# Altium PCB PCB_v2.PcbDoc (part 5 of 8)
Units mil, origin at the board's own origin, x right, y up, seen from the top; angles counter-clockwise.
Board outline 17000 x 5250 mil, 4 copper layers (Top Side, Ground Layer, Power Layer, Bottom Side), stack 33.2 mil thick; 671 components, 580 nets, 2819 pads, 990 vias.
Unrouted connection lines stored in the file: 104.
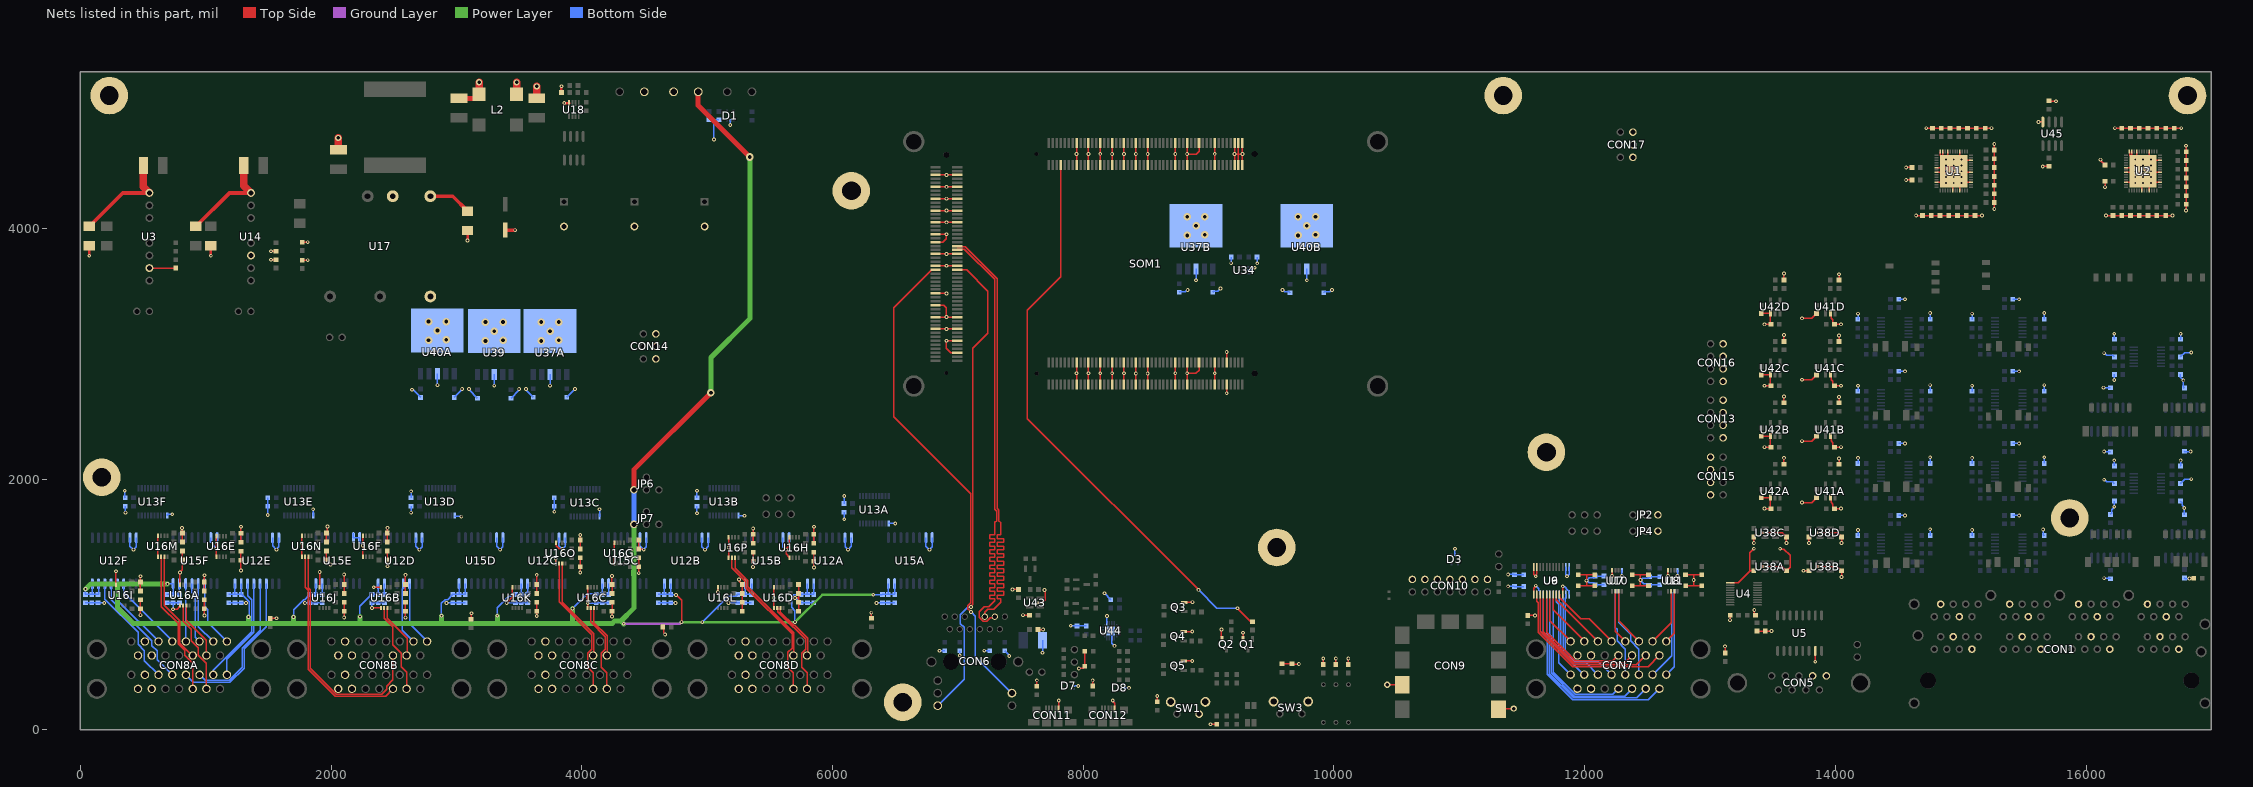
[diagram p7: the nets of this part, all layers, seen from the top]

## Via types
v1: diameter 30, hole 15, Top Side to Bottom Side, 922 vias
v2: diameter 25, hole 15, Top Side to Bottom Side, 30 vias
v3: diameter 60, hole 30, Top Side to Bottom Side, 29 vias
v4: diameter 50, hole 28, Top Side to Bottom Side, 7 vias
v5: diameter 40, hole 20, Top Side to Bottom Side, 2 vias

## Nets (pads, with @x,y where several pads share a name; then routed paths per layer and width w, separated by ;. In a path a pad name is that pad's centre, name@x,y a point inside that pad or via, vN(x,y) a via of type N, cw(c..) or ccw(c..) an arc to the next point about the centre after c; other vN are vias at no path point) (continued)
ETH_MD4_N: CON6.9 SOM1.JX3-60 | length 3979.3
  Top Side w10: SOM1.JX3-60@6994.92,3859.62 6999.92,3854.62 7034.03,3854.62 7035.78,3852.87 7059.77,3852.87 7312,3600.64 7312,1767.09 7327.54,1751.55 7327.54,1665.86 7333.39,1660 7335,1660 7340,1655 7340,1558 7337,1555 7318.69,1555 7315.69,1552 7315.69,1528 7318.69,1525 7340,1525 7361.31,1525 7364.31,1522 7364.31,1498 7361.31,1495 7340,1495 7318.69,1495 7315.69,1492 7315.69,1468 7318.69,1465 7340,1465 7361.31,1465 7364.31,1462 7364.31,1438 7361.31,1435 7340,1435 7318.69,1435 7315.69,1432 7315.69,1408 7318.69,1405 7340,1405 7361.31,1405 7364.31,1402 7364.31,1378 7361.31,1375 7340,1375 7318.69,1375 7315.69,1372 7315.69,1348 7318.69,1345 7340,1345 7361.31,1345 7364.31,1342 7364.31,1318 7361.31,1315 7340,1315 7318.69,1315 7315.69,1312 7315.69,1288 7318.69,1285 7340,1285 7361.31,1285 7364.31,1282 7364.31,1258 7361.31,1255 7340,1255 7318.69,1255 7315.69,1252 7315.69,1228 7318.69,1225 7340,1225 7361.31,1225 7364.31,1222 7364.31,1198 7361.31,1195 7340,1195 7318.69,1195 7315.69,1192 7315.69,1168 7318.69,1165 7340,1165 7361.31,1165 7364.31,1162 7364.31,1138 7361.31,1135 7340,1135 7318.69,1135 7315.69,1132 7315.69,1108 7318.69,1105 7340,1105 7361.31,1105 7364.31,1102 7364.31,1078 7361.31,1075 7340,1075 7318.69,1075 7315.69,1072 7315.69,1048 7318.69,1045 7337,1045 7340,1042 7340,1030 7340,1017.07 7285.96,963.03 7239.17,963.03 7213.28,937.14 7213.28,903.03 CON6.9@7215,903.03
ETH_MD4_P: CON6.8 SOM1.JX3-58 | length 3987.7
  Top Side w10: SOM1.JX3-58@6994.92,3828.12 6999.92,3833.12 7034.03,3833.12 7035.78,3834.87 7052.32,3834.87 7294,3593.18 7294,1759.63 7309.54,1744.1 7309.54,1665.86 7303.68,1660 7295,1660 7295,1558 7292,1555 7258.52,1555 7255.52,1552 7255.52,1528 7258.52,1525 7292,1525 7295,1522 7295,1498 7292,1495 7258.52,1495 7255.52,1492 7255.52,1468 7258.52,1465 7292,1465 7295,1462 7295,1438 7292,1435 7258.52,1435 7255.52,1432 7255.52,1408 7258.52,1405 7292,1405 7295,1402 7295,1378 7292,1375 7258.52,1375 7255.52,1372 7255.52,1348 7258.52,1345 7292,1345 7295,1342 7295,1318 7292,1315 7258.52,1315 7255.52,1312 7255.52,1288 7258.52,1285 7292,1285 7295,1282 7295,1258 7292,1255 7258.52,1255 7255.52,1252 7255.52,1228 7258.52,1225 7292,1225 7295,1222 7295,1198 7292,1195 7258.52,1195 7255.52,1192 7255.52,1168 7258.52,1165 7292,1165 7295,1162 7295,1138 7292,1135 7258.52,1135 7255.52,1132 7255.52,1108 7258.52,1105 7292,1105 7295,1102 7295,1078 7292,1075 7258.52,1075 7255.52,1072 7255.52,1048 7258.52,1045 7292,1045 7295,1042 7295,1030 7248.03,983.03 7210.15,983.03 7170,942.88 7170,898.53 7200.5,868.03 7229.5,868.03 7256.84,895.38 7287.35,895.38 CON6.8@7295,903.03
ETH_PHY_LED0: CON6.13 SOM1.JX3-47 | length 3945.2
  Top Side w10: SOM1.JX3-47@6821.69,3670.64 6791.69,3670.64 6780.2,3659.15 6777.55,3659.15 6486.31,3367.9 6486.31,2498.68 7102,1882.99 7102,1013.77 7080,991.77 7080,965.71 v1(7105.36,940.36)
  Bottom Side w10: v1(7105.36,940.36) 7140.08,905.63 7140.08,583.95 CON6.13@7431,293.03
ETH_PHY_LED1: CON6.17 SOM1.JX3-48 | length 3827.2
  Top Side w10: SOM1.JX3-48@6994.92,3670.64 7069.71,3670.64 7240,3500.36 7240,3164.93 7120,3044.93 7120,1000.41 7105,985.41 v1(7105,980)
  Bottom Side w10: CON6.17@6839,193.03 7050.08,404.11 7050.08,817.53 7020,847.61 7020,917.53 7078.64,976.17 7101.17,976.17 v1(7105,980)
FLT_DESAT1: CON8A.10A U16A.7 | length 465.4
  Top Side w10: U16A.7@844.41,992.11 844.41,875.69 1004.5,715.6 CON8A.10A@1004.5,593
FLT_DESAT2: CON8A.10B U16A.6 | length 742
  Top Side w10: U16A.6@818.82,992.11 818.82,867.72 884.5,802.04 884.5,708.98 939,654.48 939,596.98 1004.5,531.48 CON8A.10B@1004.5,327
FLT_DESAT3: CON8B.10A U16B.7 | length 445.9
  Top Side w10: U16B.7@2448.65,972.11 2448.65,888.74 2605.83,731.55 2605.83,597 CON8B.10A@2601.83,593
FLT_DESAT4: CON8B.10B U16B.6 | length 719.2
  Top Side w10: U16B.6@2423.06,972.11 2423.06,890.8 2490,823.85 2490,679.35 2558.33,611.02 2558.33,504.5 2601.83,461 CON8B.10B@2601.83,327
FLT_DESAT5: CON8C.10A U16C.7 | length 424.9
  Top Side w10: U16C.7@4096.56,972.11 4096.56,856.07 4203.17,749.46 4203.17,597 CON8C.10A@4199.17,593
FLT_DESAT6: CON8C.10B U16C.6 | length 725.1
  Top Side w10: U16C.6@4070.97,972.11 4070.97,860.45 4188.17,743.25 4188.17,643.52 4155.67,611.02 4155.67,498.47 4199.17,454.97 CON8C.10B@4199.17,327
FLT_DESAT7: CON8D.10A U16D.7 | length 473.8
  Top Side w10: U16D.7@5584.41,972.11 5584.41,939.24 5691.05,832.6 5697.13,832.6 5800.5,729.23 5800.5,597 CON8D.10A@5796.5,593
FLT_DESAT8: CON8D.10B U16D.6 | length 774
  Top Side w10: U16D.6@5558.82,972.11 5562.09,968.84 5562.09,940.34 5684.83,817.6 5690.92,817.6 5785.5,723.02 5785.5,643.52 5753,611.02 5753,498.47 5796.5,454.97 CON8D.10B@5796.5,327
FLT_TEMP1: CON8A.11A U16M.7 | length 885.1
  Top Side w10: U16M.7@669.41,1382.11 669.41,995.24 793.23,871.42 793.23,691.25 891.48,593 CON8A.11A@895.5,593
FLT_TEMP2: CON8A.11B U16M.6 | length 1159.4
  Top Side w10: U16M.6@643.82,1382.11 643.82,983.49 778.23,849.08 778.23,685.04 830,633.27 830,596.98 895.5,531.48 CON8A.11B@895.5,327
FLT_TEMP3: CON8B.11A U16N.7 | length 1900.2
  Top Side w10: U16N.7@1818.29,1382.11 1818.29,1132.49 1832.83,1117.94 1832.83,489.48 2038.82,283.5 2401.85,283.5 2441.89,323.54 2441.89,347.33 2492.83,398.27 CON8B.11A@2492.83,593
FLT_TEMP4: CON8B.11B U16N.6 | length 1697.4
  Top Side w10: U16N.6@1792.7,1382.11 1792.7,1136.86 1817.83,1111.73 1817.83,483.27 2032.6,268.5 2434.33,268.5 CON8B.11B@2492.83,327
FLT_TEMP5: CON8C.11A U16O.7 | length 839.6
  Top Side w10: U16O.7@3843.43,1327.11 3843.43,1016.66 4094.17,765.92 4094.17,597 CON8C.11A@4090.17,593
FLT_TEMP6: CON8C.11B U16O.6 | length 1139.8
  Top Side w10: U16O.6@3817.83,1327.11 3817.83,1021.04 4079.17,759.7 4079.17,643.52 4046.67,611.02 4046.67,498.47 4090.17,454.97 CON8C.11B@4090.17,327
FLT_TEMP7: CON8D.11A U16P.7 | length 974.6
  Top Side w10: U16P.7@5222.59,1371.67 5222.59,1290.31 5323.84,1189.06 5323.84,1141.58 5691.5,773.92 5691.5,597 CON8D.11A@5687.5,593
FLT_TEMP8: CON8D.11B U16P.6 | length 1274.8
  Top Side w10: U16P.6@5197,1371.67 5197,1294.68 5308.84,1182.84 5308.84,1135.37 5676.5,767.71 5676.5,650.53 5644,618.03 5644,500.85 5687.5,457.35 CON8D.11B@5687.5,327
FPGA_DONE: R19.2 SOM1.JX1-8 | length 4601.1
  Top Side w10: SOM1.JX1-8@7821.14,4506.77 7821.14,3615 7555,3348.85 7555,2481.67 v1(8920,1116.67) ; v1(9230,970) 9336.54,863.46 R19.2@9350,863.46
  Bottom Side w10: v1(8920,1116.67) 8920,1115.83 9065.83,970 v1(9230,970)
GND: C1.2 C2.2 C3.2 C4.2 C5.2 C6.2 C7.2 C8.2 C9.2 C10.2 C11.2 C12.2 C13.2 C14.2 C15.2 C16.2 C17.2 C18.2 C19.2 C20.2 C21.2 C22.2 C23.2 C24.2 C25.2 C26.2 C27.2 C28.2 C29.2 C30.2 C31.2 C32.2 C33.2 C34.2 C35.2 C36.2 C37.2 C38.2 C39.2 C40.2 C41.2 C42.2 C43.2 C44.2 C45.2 C46.2 C48A.1 C48B.1 C48C.1 C48D.1 C48E.1 C48F.1 C48G.1 C48H.1 C50.1 C51.1 C52.1 C53.2 C54.2 C55.2 C56.2 C57.1 C58.1 C59.1 C60.1 C61.2 C62.2 C63.2 C64.2 C65.2 C66.2 C67.2 C68.2 C69.2 C70.2 C71.2 C72.2 C73.2 C74.2 C75.2 C76.2 C77.2 C78.2 C79.2 C80.2 C81.2 C82.2 C83.2 C84.2 C85.2 C86.2 C88.1 C89A.2 C89B.2 C89C.2 C89D.2 C89E.2 C89F.2 C89G.2 C89H.2 C89I.2 C89J.2 C89K.2 C89L.2 C89M.2 C89N.2 C89O.2 C89P.2 C90A.2 C90B.2 C90C.2 C90D.2 C90E.2 C90F.2 C90G.2 C90H.2 C90I.2 C90J.2 C90K.2 C90L.2 C90M.2 C90N.2 C90O.2 C90P.2 C91A.2 C91B.2 C91C.2 C91D.2 C91E.2 C91F.2 C92A.2 C92B.2 C92C.2 C92D.2 C92E.2 C92F.2 C93A.2 C93B.2 C93C.2 C93D.2 C93E.2 C93F.2 C93G.2 C93H.2 C93I.2 C93J.2 C93K.2 C93L.2 C93M.2 C93N.2 C93O.2 C93P.2 C94A.2 C94B.2 C94C.2 C94D.2 C94E.2 C94F.2 C94G.2 C94H.2 C94I.2 C94J.2 C94K.2 C94L.2 C94M.2 C94N.2 C94O.2 C94P.2 C95A.2 C95B.2 C95C.2 C95D.2 C95E.2 C95F.2 C96A.2 C96B.2 C96C.2 C96D.2 C96E.2 C96F.2 C97A.2 C97B.2 C97C.2 C97D.2 C97E.2 C97F.2 C98A.2 C98B.2 C98C.2 C98D.2 C98E.2 C98F.2 C99A.2 C99B.2 C99C.2 C99D.2 C99E.2 C99F.2 C100A.2 C100B.2 C100C.2 C100D.2 C100E.2 C100F.2 C105.2 C109.2 C113.2 C115.1 C116.2 C157A.2 C157B.2 C158A.2 C158B.2 C159A.2 C159B.2 C159C.2 C159D.2 C160A.2 C160B.2 C160C.2 C160D.2 C161.2 C162.2 C163A.2 C163B.2 C164A.2 C164B.2 C165A.1 C165B.1 C165C.1 C165D.1 C166A.1 C166B.1 C166C.1 C166D.1 C167A.2 C167B.2 C167C.2 C167D.2 C168A.2 C168B.2 C168C.2 C168D.2 C169.1 C170.1 C171.1 C172.2 C173.2 C174.1 C175.1 C176.1 C177.2 C178.2 C179A.2 C179B.2 C180A.2 C180B.2 C181A.1 C181B.1 C182A.2 C182B.2 C183A.2 C183B.2 C184A.2 C184B.2 C185A.1 C185B.1 C186A.2 C186B.2 C187A.2 C187B.2 C188A.2 C188B.2 C189A.2 C189B.2 C189C.2 C189D.2 C189E.2 C189F.2 C189G.2 C189H.2 C190A.2 C190B.2 C190C.2 C190D.2 C190E.2 C190F.2 C190G.2 C190H.2 CON1.4A CON1.4B CON1.4C CON1.4D CON1.4E CON1.4F CON1.4G CON1.4H CON1.6A CON1.6B CON1.6C CON1.6D CON1.6E CON1.6F CON1.6G CON1.6H CON3.2 CON5.1 CON5.2 CON7.14A CON7.14B CON7.15A CON7.15B CON8A.7A CON8A.7B CON8A.14A CON8A.14B CON8A.15A CON8A.15B CON8B.7A CON8B.7B CON8B.14A CON8B.14B CON8B.15A CON8B.15B CON8C.7A CON8C.7B CON8C.14A CON8C.14B CON8C.15A CON8C.15B CON8D.7A CON8D.7B CON8D.14A CON8D.14B CON8D.15A CON8D.15B CON9.1 CON9.10 CON10.1 CON10.3 CON10.5 CON10.7 CON10.9 CON10.11 CON10.13 CON11.5 CON12.5 CON13.2 CON13.4 CON13.6 CON13.8 CON14.2 CON14.4 CON14.6 CON15.2 CON15.4 CON15.6 CON15.8 CON16.2 CON16.4 CON16.6 CON16.8 CON17.2 CON17.4 CON17.6 D1.2 D3.2 D7.2 D8.2 JP2.1 JP4.1 LED3.C MH1.1 MH2.1 MH3.1 MH4.1 MH5.1 MH6.1 MH7.1 MH8.1 MH9.1 Q1.2 Q2.2 Q3.2 Q4.2 Q5.2 R1.1 R2.1 R3.1 R17.1 R18.1 R20.1 R21.1 R22.1 R23.2 R24.1 R25.2 R26A.1 R26B.1 R26C.1 R26D.1 R39A.1 R39B.1 R39C.1 R39D.1 R40A.2 R40B.2 R40C.2 R40D.2 R46.2 R53.2 SOM1.JX1-15 SOM1.JX1-16 SOM1.JX1-21 SOM1.JX1-22 SOM1.JX1-27 SOM1.JX1-28 SOM1.JX1-33 SOM1.JX1-34 SOM1.JX1-39 SOM1.JX1-40 SOM1.JX1-45 SOM1.JX1-46 SOM1.JX1-51 SOM1.JX1-52 SOM1.JX1-65 SOM1.JX1-66 SOM1.JX1-71 SOM1.JX1-72 SOM1.JX1-77 SOM1.JX1-85 SOM1.JX1-86 SOM1.JX1-95 SOM1.JX1-96 SOM1.JX1-97 SOM1.JX1-98 SOM1.JX1-99 SOM1.JX1-100 SOM1.JX2-15 SOM1.JX2-16 SOM1.JX2-21 SOM1.JX2-22 SOM1.JX2-27 SOM1.JX2-28 SOM1.JX2-33 SOM1.JX2-34 SOM1.JX2-39 SOM1.JX2-40 SOM1.JX2-45 SOM1.JX2-46 SOM1.JX2-51 SOM1.JX2-52 SOM1.JX2-65 SOM1.JX2-66 SOM1.JX2-71 SOM1.JX2-72 SOM1.JX2-77 SOM1.JX2-85 SOM1.JX2-86 SOM1.JX2-91 SOM1.JX2-92 SOM1.JX3-6 SOM1.JX3-12 SOM1.JX3-17 SOM1.JX3-18 SOM1.JX3-23 SOM1.JX3-24 SOM1.JX3-29 SOM1.JX3-35 SOM1.JX3-49 SOM1.JX3-50 SOM1.JX3-55 SOM1.JX3-56 SOM1.JX3-61 SOM1.JX3-65 SOM1.JX3-71 SOM1.JX3-72 SOM1.JX3-77 SOM1.JX3-78 SOM1.JX3-83 SOM1.JX3-84 SOM1.JX3-89 SOM1.JX3-90 SOM1.JX3-95 SOM1.JX3-96 SW1.2 SW1.SH SW3.SH U1.3 U1.7 U1.12 U1.18 U1.23 U1.25 U1.26 U1.32 U1.34 U1.38 U1.46 U1.49 U1.53 U2.3 U2.7 U2.12 U2.18 U2.23 U2.25 U2.26 U2.32 U2.34 U2.38 U2.46 U2.49 U2.53 U3.7 U4.11 U5.7 U6.11 U6.12 U6.13 U6.22 U7.4 U8.4 U9.11 U9.12 U9.13 U9.22 U10.4 U11.4 U12A.7 U12A.8 U12B.7 U12B.8 U12C.7 U12C.8 U12D.7 U12D.8 U12E.7 U12E.8 U12F.7 U12F.8 U13A.11 U13B.11 U13C.11 U13D.11 U13E.11 U13F.11 U14.6 U15A.7 U15A.8 U15B.7 U15B.8 U15C.7 U15C.8 U15D.7 U15D.8 U15E.7 U15E.8 U15F.7 U15F.8 U16A.4 U16A.5 U16B.4 U16B.5 U16C.4 U16C.5 U16D.4 U16D.5 U16E.4 U16E.5 U16F.4 U16F.5 U16G.4 U16G.5 U16H.4 U16H.5 U16I.4 U16J.4 U16K.4 U16L.4 U16M.4 U16M.5 U16N.4 U16N.5 U16O.4 U16O.5 U16P.4 U16P.5 U17.4 U34.2 U37A.3 U37A.6 U37B.3 U37B.6 U38A.2 U38B.2 U38C.2 U38D.2 U39.3 U39.6 U40A.3 U40A.6 U40B.3 U40B.6 U41A.2 U41B.2 U41C.2 U41D.2 U42A.1 U42B.1 U42C.1 U42D.1 U43.2 U44.3 U44.12 U44.21 U45.4 | length 39894.6
  Top Side w10: U16I.4@283.23,1157.87 v1(283.23,1265.31) ; v1(478.46,915) C94I.2@478.46,1036.67 ; C89I.2@478.46,1108.33 v1(478.46,1225) ; U3.7@550,3683.81 C115.1@760,3683.81 ; U16M.5@618.23,1382.11 U16M.4@618.23,1547.87 ; v1(738.31,961.69) 740.22,963.61 770.5,963.61 793.23,986.34 U16A.5@793.23,992.11 ; U16A.4@793.23,1157.87 793.23,1257.71 813.46,1277.94 C94M.2@813.46,1426.67 ; v1(810,1610) 811.73,1608.27 811.73,1571.73 C93M.2@813.46,1570 C89M.2@813.46,1498.33 ; v1(988.46,912.85) C94A.2@988.46,1036.67 ; C89A.2@988.46,1108.33 v1(988.46,1233.46) ; U16E.5@1085,1380 U16E.4@1085,1545.77 ; v1(1280.24,1270.24) C94E.2@1280.24,1424.56 ; C89E.2@1280.24,1496.23 v1(1280.24,1619.76) ; R26A.1@1514.76,888.59 1516.18,890 1564,890 v1@1565,889 ; v1(1520,3750.74) C116.2@1560,3750.74 ; v1(1520,3818.53) R2.1@1560,3818.53 ; U16N.4@1765,1545.77 U16N.4@1767.11,1547.87 U16N.5@1767.11,1382.11 ; C88.1@1768.28,3746.98 v1(1813.28,3746.98) ; R3.1@1768.28,3890.54 v1(1813.28,3890.54) ; U16J.4@1908.23,1137.87 v1(1908.23,1258.23) ; C94N.2@1962.35,1426.67 C90N.2@1962.35,1355 1995.71,1321.64 v1(1995.71,1318.92) ; C89N.2@1962.35,1498.33 C93N.2@1962.35,1570 1970,1577.65 v1@1970,1615 ; v1(2103.46,895.69) C94J.2@2103.46,1016.67 ; C89J.2@2103.46,1088.33 v1(2103.46,1240) ; U16F.5@2253.23,1382.11 U16F.4@2253.23,1547.87 ; v1(2325,972.11) U16B.5@2397.46,972.11 ; v1(2340,1137.87) U16B.4@2397.46,1137.87 ; C94F.2@2448.46,1426.67 C90F.2@2448.46,1355 2448.65,1354.82 v1(2448.65,1305) ; C89F.2@2448.46,1498.33 v1(2448.46,1611.54) ; v1(2592.7,895) C94B.2@2592.7,1016.67 ; C89B.2@2592.7,1088.33 v1(2592.7,1236.54) ; R26B.1@3115.03,883.46 3118.09,886.52 3118.09,928.09 v1(3120,930) ; v1(3400,1012.83) 3445.3,1058.13 U16K.4@3445.3,1137.87 ; v1(3640.53,907.88) C94K.2@3640.53,1016.67 ; C89K.2@3640.53,1088.33 v1(3640.53,1236.54) ; U16O.5@3792.24,1327.11 v1(3792.24,1367.76) ; U16O.4@3792.24,1492.87 3793.98,1491.14 3793.98,1469.75 3819.75,1443.98 3841.93,1443.98 v1(3843.84,1442.06) ; v1(3987.48,1255) C94O.2@3987.48,1371.67 ; C89O.2@3987.48,1443.33 v1(3987.48,1555) ; U16C.5@4045.38,972.11 4046.26,972.99 4046.26,1009.11 v1(4047.15,1010) 4047.15,1012.71 4045.38,1014.48 4045.38,1040.7 4038.5,1047.57 4038.5,1072.43 4045.38,1079.3 U16C.4@4045.38,1137.87 ; v1(4240,1226.54) 4240.31,1226.23 4240.31,1160.31 C93C.2@4240.61,1160 C89C.2@4240.61,1088.33 ; v1(4240.61,903.89) C94C.2@4240.61,1016.67 ; U16G.5@4258.76,1327.11 U16G.4@4258.76,1492.87 ; v1(4454,1250) C94G.2@4454,1371.67 ; C93G.2@4454,1515 C89G.2@4454,1443.33 4457.82,1439.51 4491.39,1439.51 v1(4493.31,1437.6) ; R26C.1@4645,820 4653.7,811.3 4653.7,774.92 4664.38,764.24 v1(4664.38,761.54) ; v1(5084.91,1099.91) U16L.4@5084.91,1137.87 ; U16P.5@5171.41,1371.67 U16P.4@5171.41,1537.43 ; v1(5254.59,1200) 5256.5,1198.09 5256.5,1183.64 C93L.2@5280.14,1160 C90L.2@5280.14,945 ; v1(5366,1300) 5366.32,1300.32 5366.32,1344.24 C90P.2@5366.65,1344.56 C94P.2@5366.65,1416.23 ; C89P.2@5366.65,1487.89 v1(5366.65,1605.58) ; v1(5530,1052.4) 5531.61,1050.79 5531.61,973.72 U16D.5@5533.23,972.11 ; v1@5533.23,1050 5531.61,1051.61 5531.61,1136.26 U16D.4@5533.23,1137.87 ; U16H.5@5655.76,1371.67 5655.76,1377.43 5630.22,1402.98 5630.22,1435.69 v1(5628.31,1437.6) 5628.31,1440.3 5655.76,1467.76 U16H.4@5655.76,1537.43 ; v1(5700,1052.4) 5700.1,1052.5 5728.46,1052.5 ; C90D.2@5728.46,945 5728.46,1052.5 ; C93D.2@5728.46,1160 5728.46,1052.5 ; v1(5851,1296) C94H.2@5851,1416.23 ; C89H.2@5851,1487.89 C93H.2@5851,1559.56 v1(5851,1620) ; v1(6309.69,935) 6309.69,889.59 R26D.1@6310,889.28 ; SOM1.JX3-17@6821.69,3198.2 v1(6908.31,3198.2) SOM1.JX3-18@6994.92,3198.2 ; SOM1.JX3-23@6821.69,3292.69 v1(6908.31,3292.69) ; SOM1.JX3-29@6821.69,3387.18 6888.02,3387.18 6908.31,3366.89 v1(6908.31,3292.69) ; SOM1.JX3-35@6821.69,3481.67 v1(6908.31,3481.66) ; SOM1.JX3-49@6821.69,3702.14 v1(6908.31,3702.14) SOM1.JX3-50@6994.92,3702.14 ; SOM1.JX3-55@6821.69,3796.63 v1(6908.31,3796.63) SOM1.JX3-56@6994.92,3796.62 ; SOM1.JX3-61@6821.69,3891.11 6880.55,3891.11 6908.31,3918.87 v1(6908.31,3954.11) SOM1.JX3-65@6821.69,3954.11 ; SOM1.JX3-71@6821.69,4048.59 v1(6908.31,4048.59) SOM1.JX3-72@6994.92,4048.59 ; SOM1.JX3-77@6821.69,4143.08 v1(6908.31,4143.08) SOM1.JX3-78@6994.92,4143.08 ; SOM1.JX3-83@6821.69,4237.57 v1(6908.31,4237.57) SOM1.JX3-84@6994.92,4237.57 ; SOM1.JX3-89@6821.69,4332.06 v1(6908.31,4332.06) SOM1.JX3-90@6994.92,4332.06 ; SOM1.JX3-95@6821.69,4426.55 v1(6908.31,4426.54) SOM1.JX3-96@6994.92,4426.54 ; SOM1.JX3-6@6994.92,3009.22 6941.86,3009.22 6908.31,3042.78 v1(6908.31,3103.71) SOM1.JX3-12@6994.92,3103.71 ; SOM1.JX3-24@6994.92,3292.69 v1(6908.31,3292.69) ; v1(7435,1120) 7483.46,1120 R24.1@7483.7,1120.24 ; v1(7520,915) C169.1@7571.54,915 ; R46.2@7630,346.5 v1(7630,395) ; C171.1@7638.46,800 v1(7680,800) ; U43.2@7657.32,1015 7675.04,1015 7695.87,1035.83 7695.87,1103.69 7689.97,1109.59 v1(7689.97,1115) ; CON11.5@7803.54,167.4 7804.39,168.25 v1(7804.39,234.15) ; SOM1.JX2-16@7947.13,2756.77 v1(7947.13,2845) SOM1.JX2-15@7947.13,2930 ; SOM1.JX1-16@7947.13,4506.77 v1(7947.13,4593.39) SOM1.JX1-15@7947.13,4680 ; v1(7965,490) 7967.87,492.87 7999.09,492.87 C173.2@8012.8,506.57 C172.2@8012.8,626.57 ; SOM1.JX2-22@8041.61,2756.77 v1(8041.61,2845) SOM1.JX2-21@8041.61,2930 ; SOM1.JX1-22@8041.61,4506.77 v1(8041.61,4593.39) SOM1.JX1-21@8041.61,4680 ; v1(8075,395) 8075,351.3 R53.2@8076.26,350.04 ; SOM1.JX2-28@8136.1,2756.77 v1(8136.1,2845) SOM1.JX2-27@8136.1,2930 ; SOM1.JX1-28@8136.1,4506.77 v1(8136.1,4595) SOM1.JX1-27@8136.1,4680 ; SOM1.JX2-34@8230.59,2756.77 v1(8230.59,2845) SOM1.JX2-33@8230.59,2930 ; SOM1.JX1-34@8230.59,4506.77 v1(8230.59,4593.39) SOM1.JX1-33@8230.59,4680 ; v1(8235,235) 8235,229.59 8250.91,213.68 CON12.5@8250.91,167.4 ; SOM1.JX2-40@8325.08,2756.77 v1(8325.08,2845) SOM1.JX2-39@8325.08,2930 ; SOM1.JX1-40@8325.08,4506.77 v1(8325.08,4593.39) SOM1.JX1-39@8325.08,4680 ; SOM1.JX2-46@8419.57,2756.77 v1(8419.57,2843.39) SOM1.JX2-45@8419.57,2930 ; SOM1.JX1-46@8419.57,4506.77 v1(8419.57,4593.39) SOM1.JX1-45@8419.57,4680 ; SOM1.JX2-52@8514.05,2756.77 v1(8514.06,2843.39) SOM1.JX2-51@8514.06,2930 ; SOM1.JX1-52@8514.05,4506.77 v1(8514.06,4593.39) SOM1.JX1-51@8514.06,4680 ; C50.1@8590,223.46 v1(8590,270.14) ; SOM1.JX2-66@8734.53,2756.77 v1(8734.53,2845) SOM1.JX2-65@8734.53,2930 ; SOM1.JX1-66@8734.53,4506.77 v1(8734.53,4593.38) SOM1.JX1-65@8734.53,4680 ; Q5.2@8800.6,549.8 v1(8869.26,549.8) ; Q4.2@8800.6,783.22 8801.39,784.01 8868.47,784.01 v1(8869.26,784.8) ; Q3.2@8804.96,1017.2 8806.26,1018.5 v1(8870.98,1018.5) v1@8872.28,1019.8 ; SOM1.JX2-72@8829.01,2756.77 v1(8829.02,2845) ; SOM1.JX2-71@8829.02,2930 v1(8829.02,2845) ; SOM1.JX1-72@8829.01,4506.77 v1(8829.02,4593.39) ; SOM1.JX1-71@8829.02,4680 v1(8829.02,4593.39) ; SOM1.JX2-77@8923.5,2930 8923.5,2869.82 8898.69,2845 v1(8829.02,2845) ; SOM1.JX1-77@8923.5,4680 8923.5,4615.99 8900.9,4593.39 v1(8829.02,4593.39) ; v1(9015,44.13) LED3.C@9065,44.13 ; SOM1.JX2-86@9049.49,2756.77 v1(9049.49,2845) SOM1.JX2-85@9049.49,2930 ; SOM1.JX1-86@9049.49,4506.77 v1(9049.49,4595) SOM1.JX1-85@9049.49,4680 ; v1@9102.35,805 9102.35,742.77 9106.34,738.78 Q2.2@9106.34,725 ; v1(9143.97,2685) SOM1.JX2-92@9143.97,2756.77 ; SOM1.JX2-91@9143.98,2930 v1(9143.97,3015) ; SOM1.JX1-96@9206.97,4506.77 v1(9206.97,4593.38) ; SOM1.JX1-95@9206.97,4680 v1(9206.97,4593.38) ; SOM1.JX1-98@9238.46,4506.77 9238.46,4593.39 ; SOM1.JX1-97@9238.46,4680 9238.46,4593.39 ; SOM1.JX1-100@9269.96,4506.77 v1(9269.96,4593.39) ; SOM1.JX1-99@9269.96,4680 v1(9269.96,4593.39) ; v1(9275,775) 9275.67,774.33 9275.67,725.67 Q1.2@9276.34,725 ; R18.1@9585,526.06 C52.1@9665,526.06 9666.06,525 v1(9720,525) ; R22.1@9915,521.06 v1(9915,570) ; R21.1@10015,521.06 v1(10015,570) ; R20.1@10115,521.06 v1(10115,570) ; v4(10425,360) CON9.10@10545,360 ; CON9.1@11312.72,163.15 11319.57,170 v4(11435,170) ; R25.2@11547.37,912.85 11547.51,912.98 v1(11605,912.98) ; U6.13@11594.25,1079.76 11594.25,1128.84 11610,1144.59 v1(11610,1150) ; U6.12@11594.25,1300.24 11594.25,1240.75 v1(11610,1225) 11614.25,1229.25 11614.25,1233.81 11619.84,1239.4 U6.11@11619.84,1300.24 ; U6.22@11824.57,1079.76 11824.78,1079.98 11824.78,1144.78 v1(11825,1145) ; C61.2@11950,1148.46 12015,1148.46 ; C64.2@11950,1236.54 12015,1236.54 ; C63.2@12080,1148.46 12015,1148.46 ; C62.2@12080,1236.54 12015,1236.54 ; v1(12219.21,1226.54) U7.4@12219.21,1272.88 ; C67.2@12380,1148.46 12445,1148.46 ; C68.2@12380,1236.54 12445,1236.54 ; C65.2@12510,1148.46 12445,1148.46 ; C66.2@12510,1236.54 12445,1236.54 ; v1(12665,1226.54) U8.4@12665,1272.88 ; C70.2@12805,1236.54 12870,1236.54 ; C69.2@12805.59,1148.46 12870,1148.46 ; C71.2@12935,1148.46 12870,1148.46 ; C72.2@12935,1236.54 12870,1236.54 ; R23.2@13120.87,612.52 v1(13120.87,666.16) ; v1(13160,875) 13160,914.49 C56.2@13160.75,915.24 ; U4.11@13160.75,1173.82 13226.94,1173.82 13322.06,1268.94 ; C159A.2@13350,1268.94 13322.06,1268.94 ; v1(13350,1445) 13316.21,1411.21 13316.21,1274.79 13322.06,1268.94 ; v1(13350,1490) C159C.2@13350,1538.94 ; v1(13353.94,955) 13353.94,927.83 13365,916.77 C54.2@13363.46,915.24 ; C55.2@13375,788.19 v1(13490,788.19) ; C168A.2@13410,1851.54 13411.89,1853.43 U42A.1@13482.6,1853.43 13482.6,1768.94 C167A.2@13486.54,1765 v1(13435,1765) ; C168B.2@13410,2341.54 13411.89,2343.43 U42B.1@13482.6,2343.43 13482.6,2258.94 C167B.2@13486.54,2255 v1(13435,2255) ; C168C.2@13410,2831.54 13411.89,2833.43 U42C.1@13482.6,2833.43 13482.6,2748.94 C167C.2@13486.54,2745 v1(13435,2745) ; C168D.2@13410,3321.54 13411.89,3323.43 U42D.1@13482.6,3323.43 13482.6,3238.94 C167D.2@13486.54,3235 v1(13435,3235) ; U38A.2@13437.68,1302.4 13576.54,1302.4 C160A.2@13610,1268.94 13638.7,1297.64 13638.7,1391.65 13589.18,1441.17 13563.83,1441.17 v1(13560,1445) ; U38C.2@13437.68,1572.4 13576.54,1572.4 C160C.2@13610,1538.94 v1(13610,1490) ; R40A.2@13590,2118.46 v1(13590,2170) ; R40B.2@13590,2608.46 v1(13590,2660) ; R40C.2@13590,3098.46 v1(13590,3150) ; R40D.2@13590,3588.46 v1(13590,3640) ; v1(13735,1813) 13811.46,1813 C166A.1@13850,1851.54 ; v1(13735,2303) 13811.46,2303 C166B.1@13850,2341.54 ; v1(13735,2793) 13811.46,2793 C166C.1@13850,2831.54 ; v1(13735,3283) 13811.46,3283 C166D.1@13850,3321.54 ; v1(13746,1268.94) C159B.2@13790,1268.94 ; v1(13790,1490) C159D.2@13790,1538.94 ; v1(13840,543.03) U5.7@13840,629.52 ; U38B.2@13877.68,1302.4 14016.54,1302.4 C160B.2@14050,1268.94 v1(14050,1220) ; U38D.2@13877.68,1572.4 14016.54,1572.4 C160D.2@14050,1538.94 v1(14050,1490) ; U41A.2@13960,1853.43 13965.63,1847.8 13965.63,1814.41 13979.76,1800.28 13979.76,1778.7 C165A.1@13993.46,1765 v1(14045,1765) ; U41B.2@13960,2343.43 13965.63,2337.8 13965.63,2304.41 13979.76,2290.28 13979.76,2268.7 C165B.1@13993.46,2255 v1(14045,2255) ; U41C.2@13960,2833.43 13965.63,2827.8 13965.63,2794.41 13979.76,2780.28 13979.76,2758.7 C165C.1@13993.46,2745 v1(14045,2745) ; U41D.2@13960,3323.43 13965.63,3317.8 13965.63,3284.41 13979.76,3270.28 13979.76,3248.7 C165D.1@13993.46,3235 v1(14045,3235) ; R39A.1@14030,2118.46 v1(14030,2165) ; R39B.1@14030,2608.46 v1(14030,2655) ; R39C.1@14030,3098.46 v1(14030,3145) ; R39D.1@14030,3588.46 v1(14030,3635) ; v1(14565,4386.54) C10.2@14611.54,4386.54 ; v1(14565,4486.54) C5.2@14611.54,4486.54 ; v1(14645,4103.07) v1(15170,4103.07) ; v1(14725.16,4800) v1(15245,4800) ; U1.38@14809,4367.95 14856.42,4367.95 U1.53@14935.16,4446.69 ; U1.34@14809,4446.69 U1.53@14935.16,4446.69 ; U1.32@14809,4486.06 U1.53@14915.47,4486.06 ; U1.26@14836.73,4612.04 14837.73,4611.04 14837.73,4584.28 14856.42,4565.59 U1.53@14856.42,4565 ; U1.25@14856.42,4612.04 U1.53@14856.42,4565 ; U1.23@14895.79,4612.04 U1.53@14895.79,4505.75 ; U1.46@14935.16,4301.04 U1.53@14935.16,4446.69 ; U1.49@14994.21,4301.04 U1.53@14994.21,4407.32 ; U1.18@14994.21,4612.04 U1.53@14994.21,4505.75 ; U1.3@15081,4367.95 15033.58,4367.95 U1.53@14994.21,4407.32 ; U1.7@15081,4446.69 U1.53@14954.84,4446.69 ; U1.12@15081,4545.12 15033.58,4545.12 U1.53@14994.21,4505.75 ; v1(15268.46,4155) v1(15268.46,4674.33) ; v1(15620,4849.49) U45.4@15655.25,4849.49 ; v1(15655,4495) C178.2@15705,4495 ; C177.2@15705,5018.46 15708.46,5015 v1(15760,5015) ; v1(16115,4549.04) 16118.83,4545.21 16118.83,4539.24 C28.2@16151.54,4506.54 ; v1(16151.54,4329.27) C35.2@16151.54,4375.8 ; v1(16160,4103.07) v1(16690,4103.07) ; v1(16230,4800) v1(16760,4800) ; U2.38@16319,4367.95 16366.42,4367.95 U2.53@16445.16,4446.69 ; U2.34@16319,4446.69 U2.53@16445.16,4446.69 ; U2.32@16319,4486.06 U2.53@16425.47,4486.06 ; U2.26@16346.73,4612.04 16347.73,4611.04 16347.73,4584.28 16366.42,4565.59 U2.53@16366.42,4565 ; U2.25@16366.42,4612.04 U2.53@16366.42,4565 ; U2.23@16405.79,4612.04 U2.53@16405.79,4505.75 ; U2.46@16445.16,4301.04 U2.53@16445.16,4446.69 ; U2.49@16504.21,4301.04 U2.53@16504.21,4407.32 ; U2.18@16504.21,4612.04 U2.53@16504.21,4505.75 ; U2.3@16591,4367.95 16543.58,4367.95 U2.53@16504.21,4407.32 ; U2.7@16591,4446.69 U2.53@16464.84,4446.69 ; U2.12@16591,4545.12 16543.58,4545.12 U2.53@16504.21,4505.75 ; v1(16798.46,4143.08) v1(16798.46,4660) ; v1(16826.31,1206.54) 16825,1206.54 16820.77,1210.77 16859.23,1210.77 R1.1@16860,1210 ; v1(9206.97,4593.38) 9238.46,4593.39 ; 9238.46,4593.39 v1(9269.96,4593.39) ; 12015,1148.46 12015,1236.54 ; 12445,1148.46 12445,1236.54 ; 12870,1148.46 12870,1236.54 ; U1.53@14856.42,4565 14856.42,4545.12 U1.53@14895.79,4505.75 ; U1.53@14895.79,4505.75 U1.53@14915.47,4486.06 ; U1.53@14915.47,4486.06 v2(14945,4456.54) ; U1.53@14935.16,4446.69 v2(14945,4456.54) ; v2(14945,4456.54) U1.53@14954.84,4446.69 ; v2(14945,4456.54) U1.53@14994.21,4505.75 ; U1.53@14954.84,4446.69 U1.53@14994.21,4407.32 ; U2.53@16366.42,4565 16366.42,4545.12 U2.53@16405.79,4505.75 ; U2.53@16405.79,4505.75 U2.53@16425.47,4486.06 ; U2.53@16425.47,4486.06 v2(16455,4456.54) ; U2.53@16445.16,4446.69 v2(16455,4456.54) ; v2(16455,4456.54) U2.53@16464.84,4446.69 ; v2(16455,4456.54) U2.53@16504.21,4505.75 ; U2.53@16464.84,4446.69 U2.53@16504.21,4407.32